# Altium PCB Sensor IR.PcbDoc
Units mm, origin at the board's own origin, x right, y up, seen from the top; angles counter-clockwise.
Board outline 90 x 90 mm, 2 copper layers (Top Layer, Bottom Layer); 92 components, 55 nets, 259 pads, 4 vias.
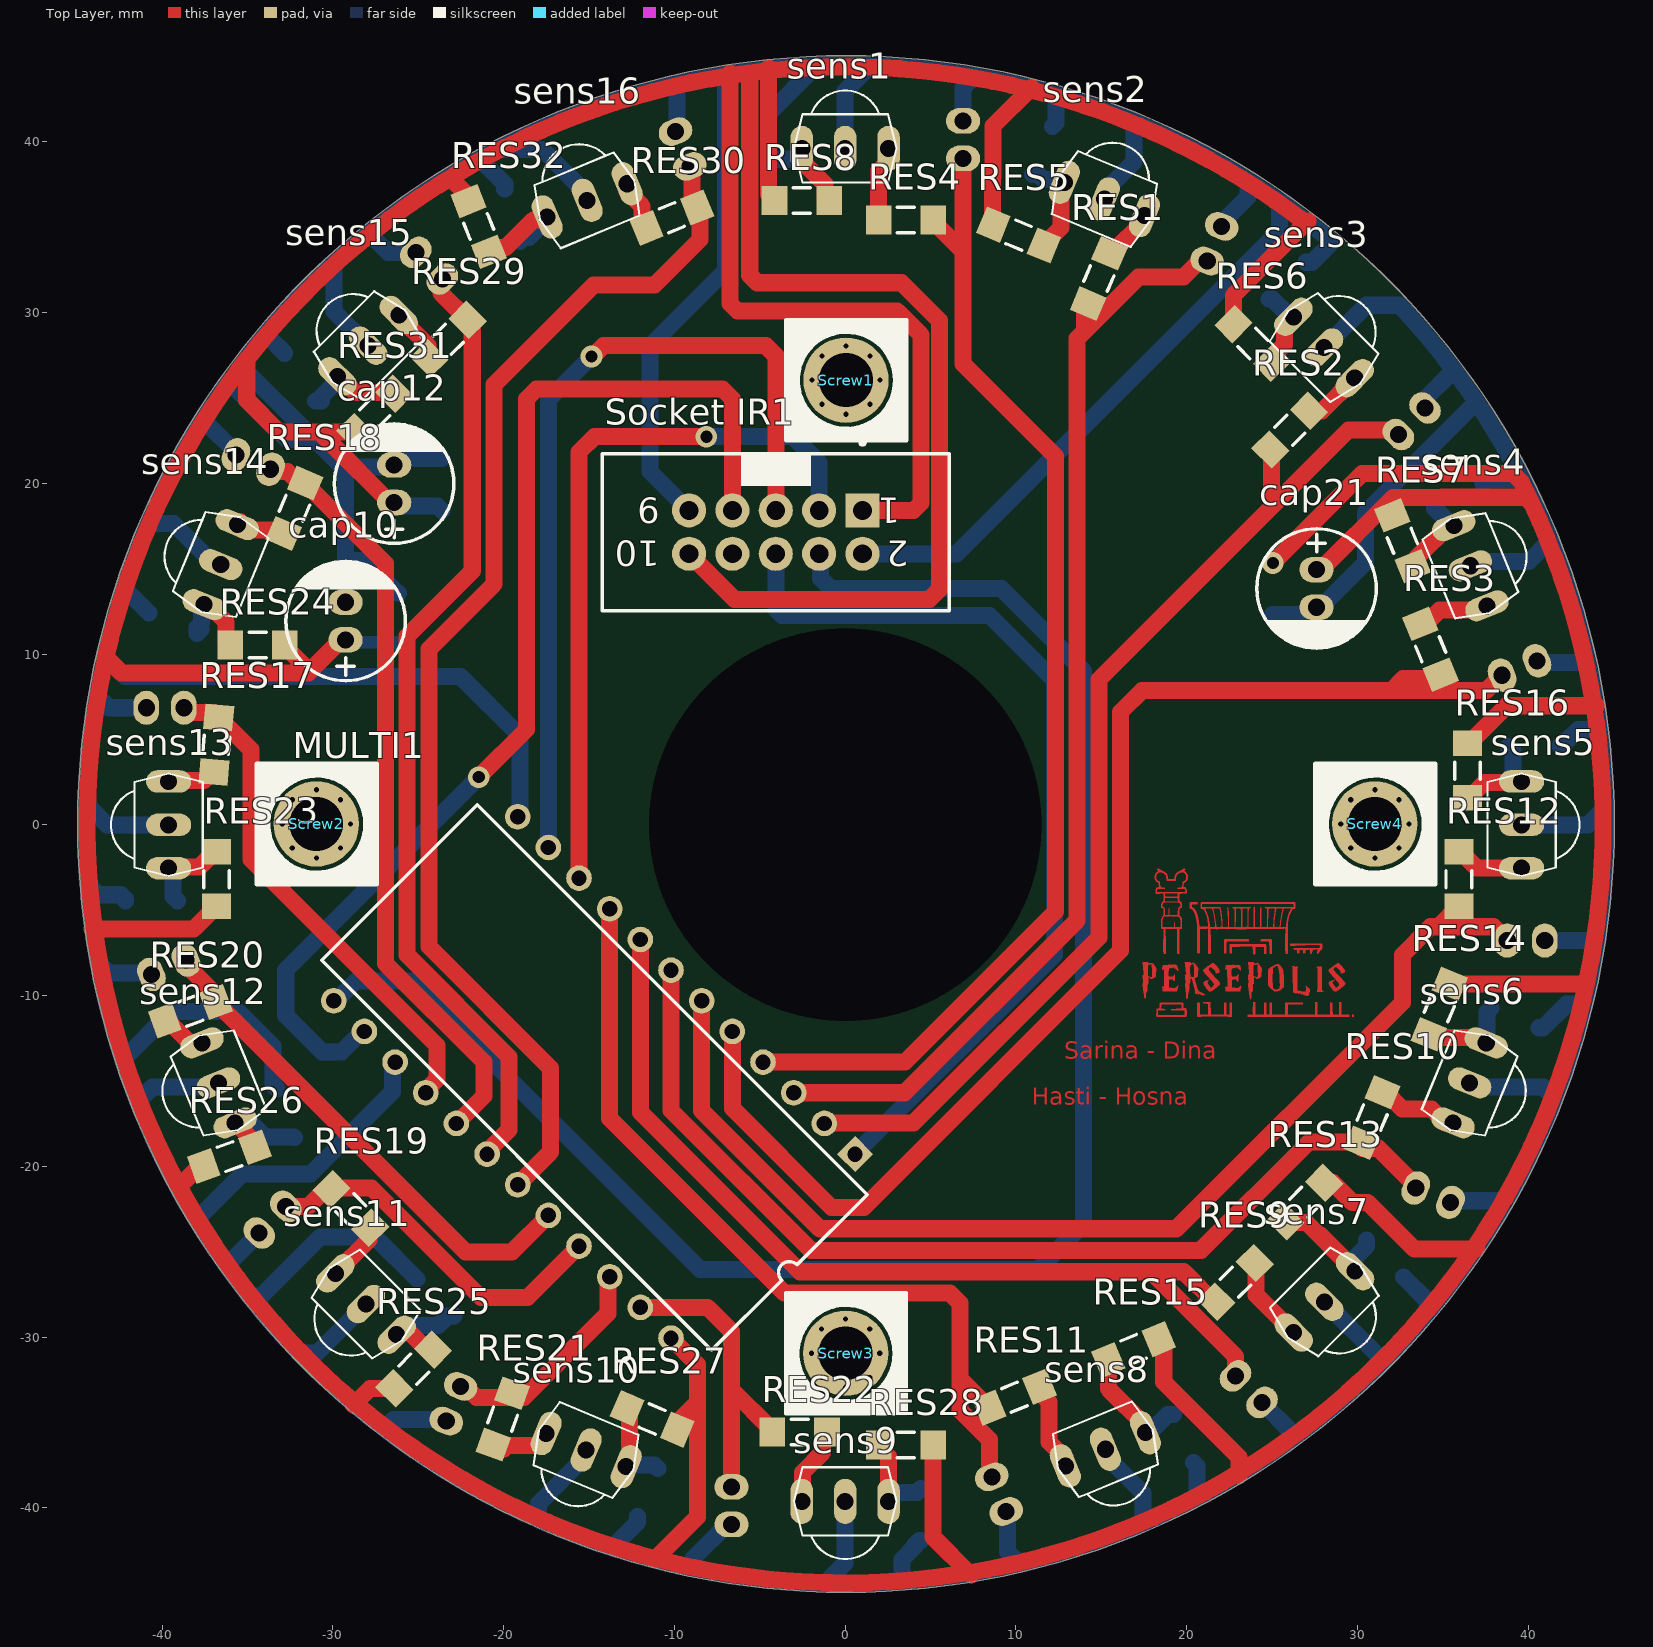
[diagram p0: Top Layer view]
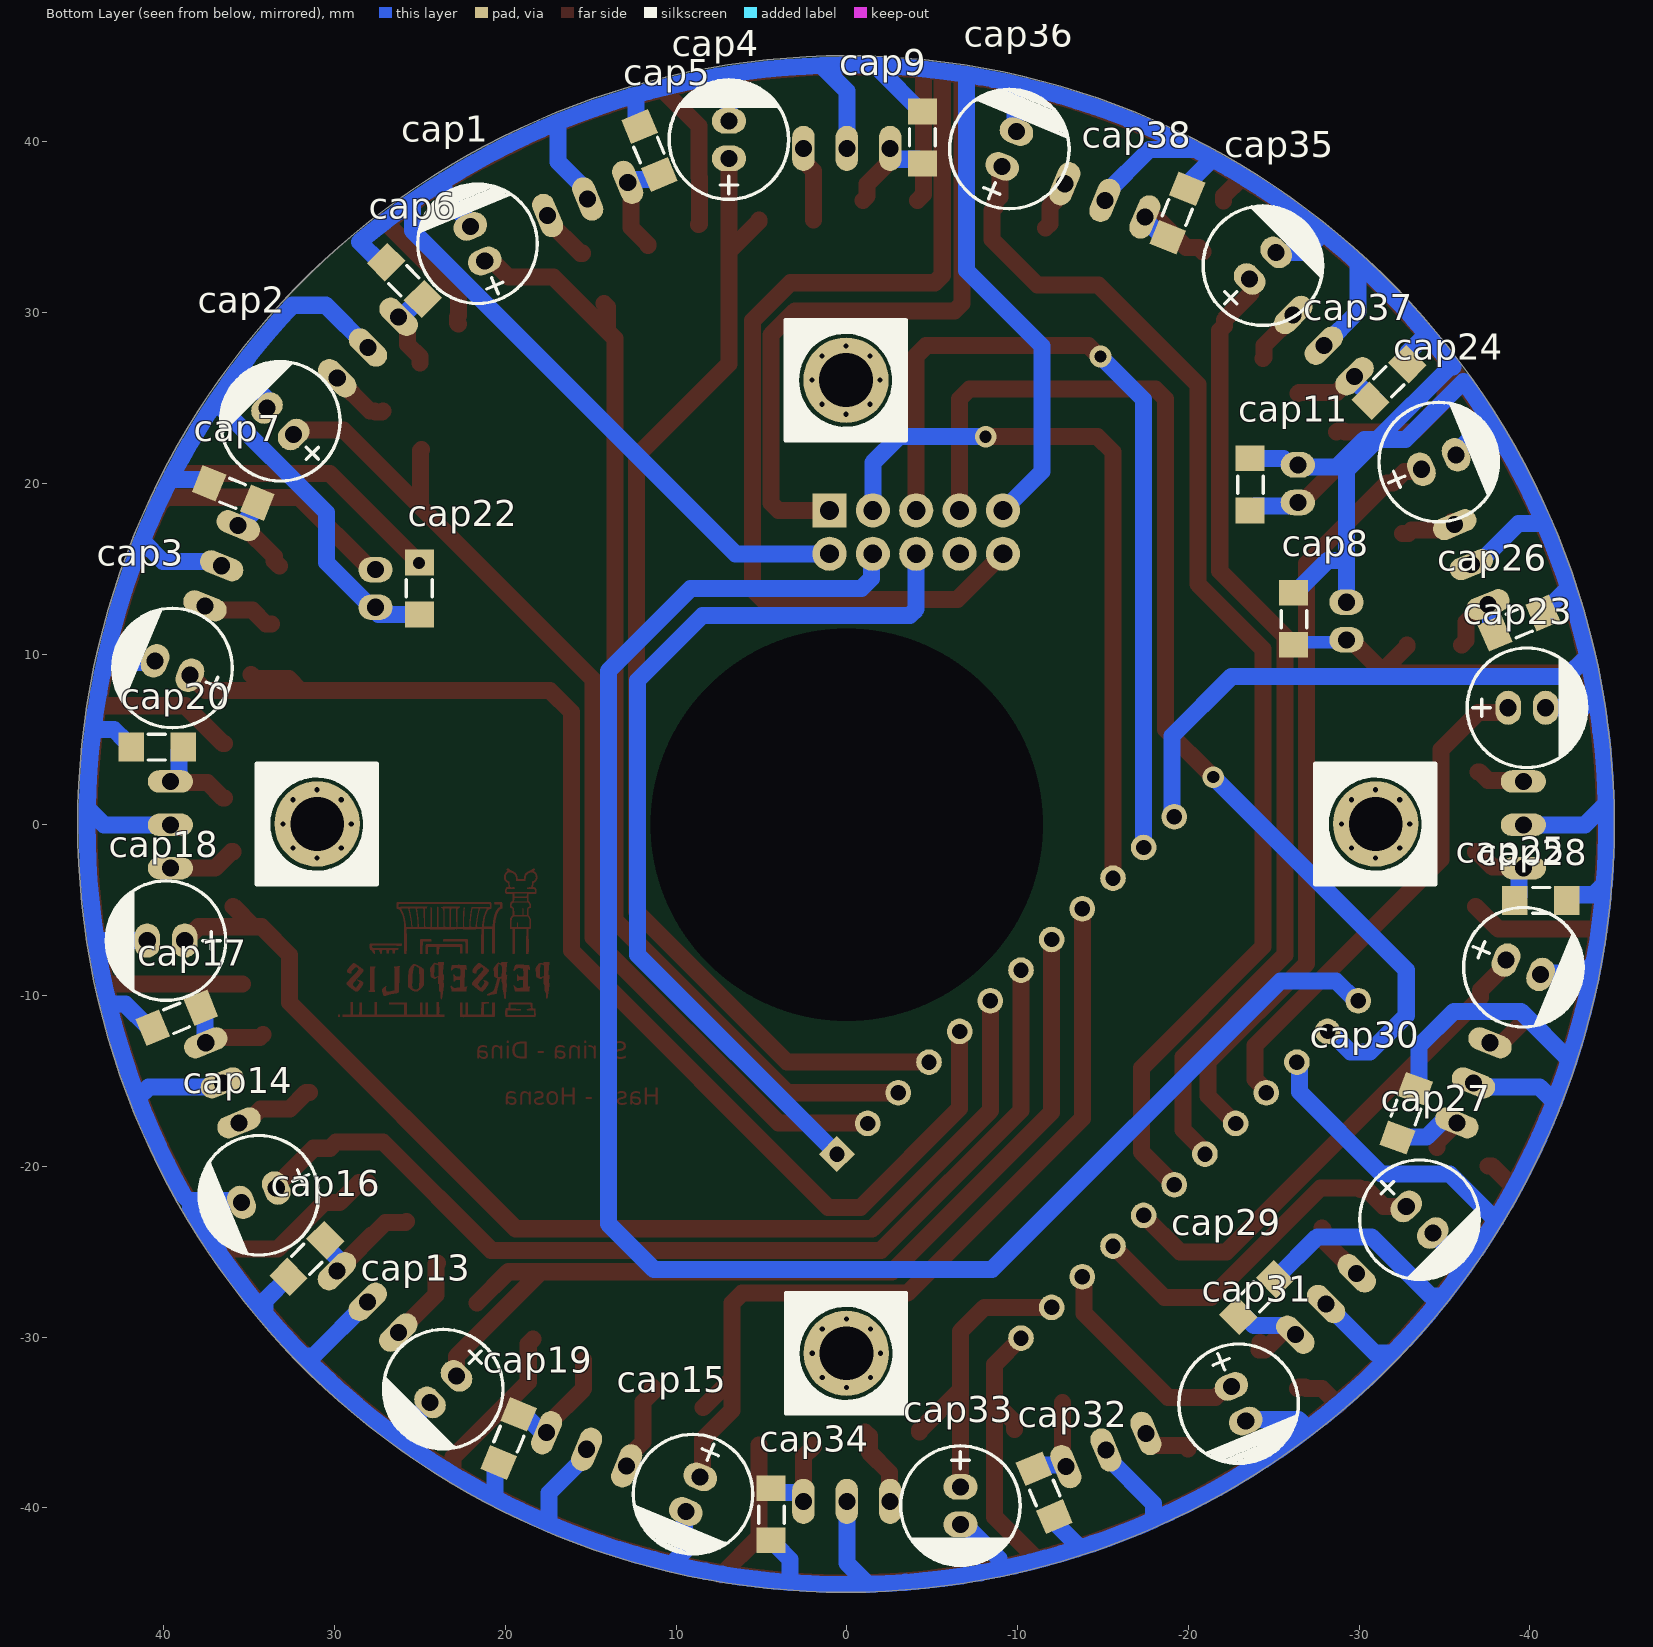
[diagram p1: Bottom Layer view, seen from below]
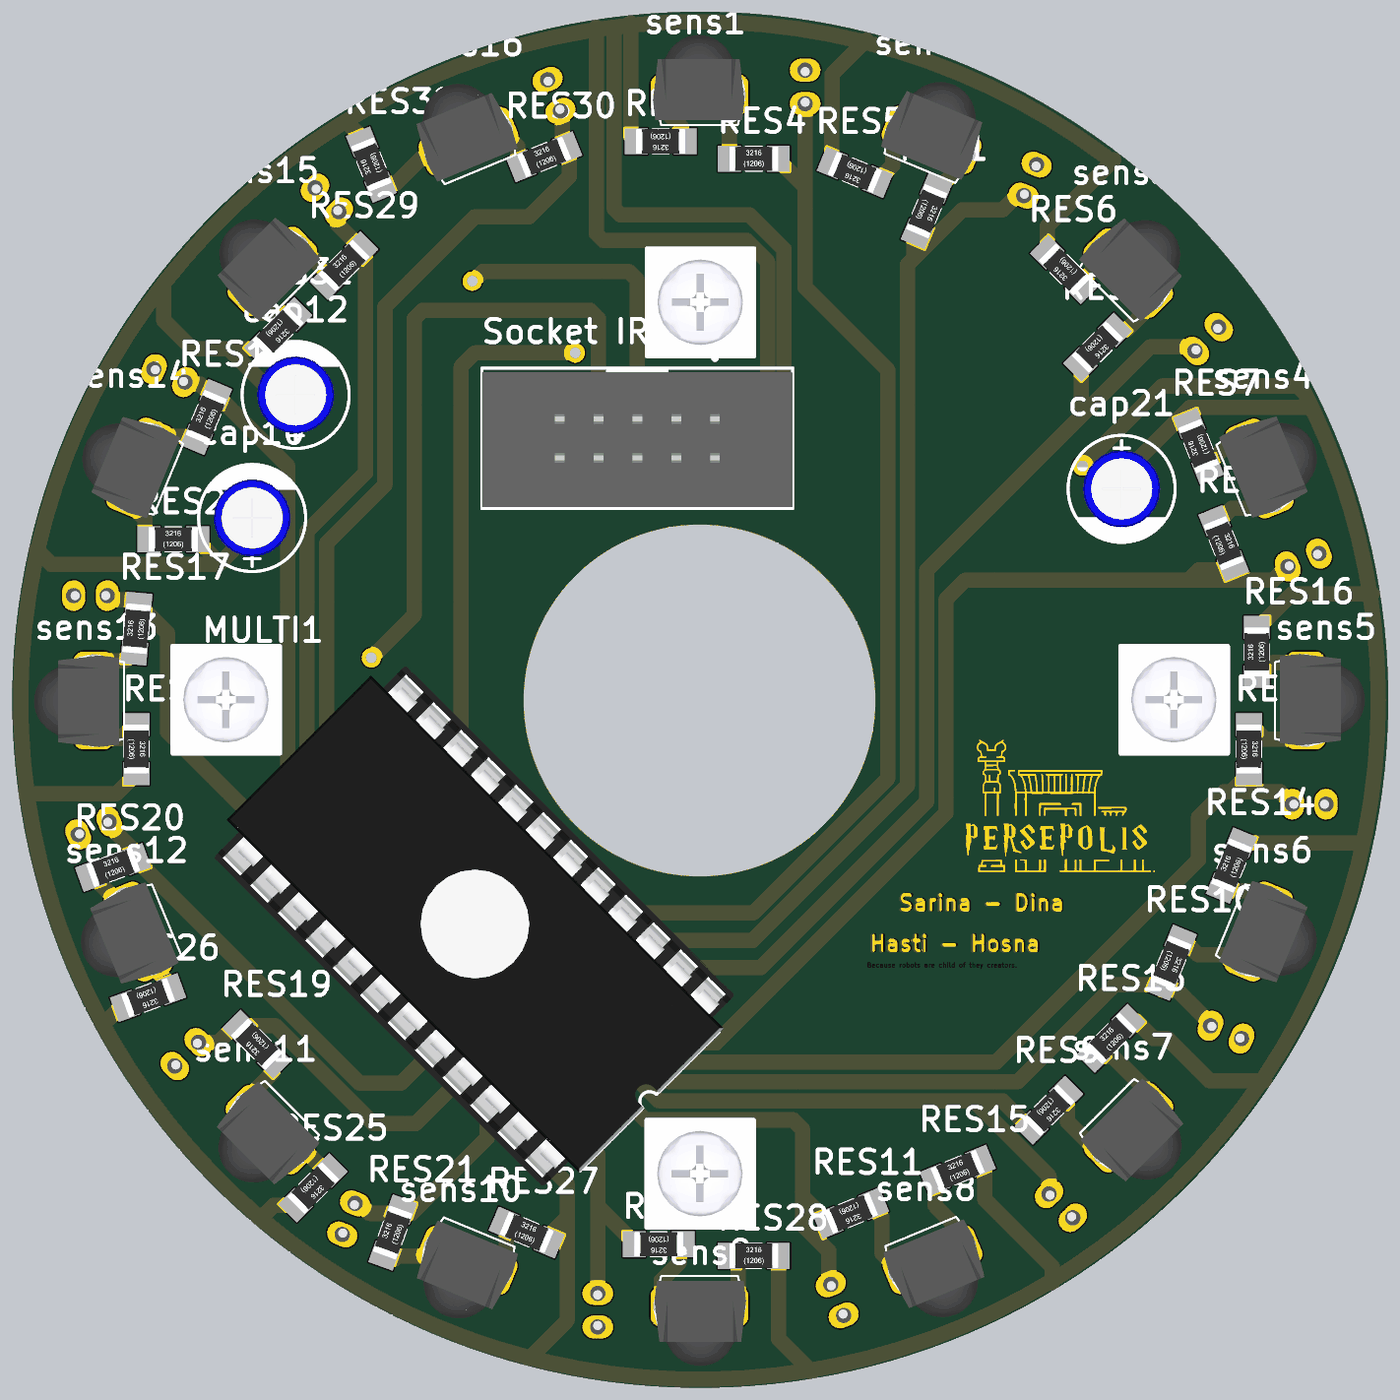
[diagram p2: 3D render of the assembled board from above, using the file's embedded part models]
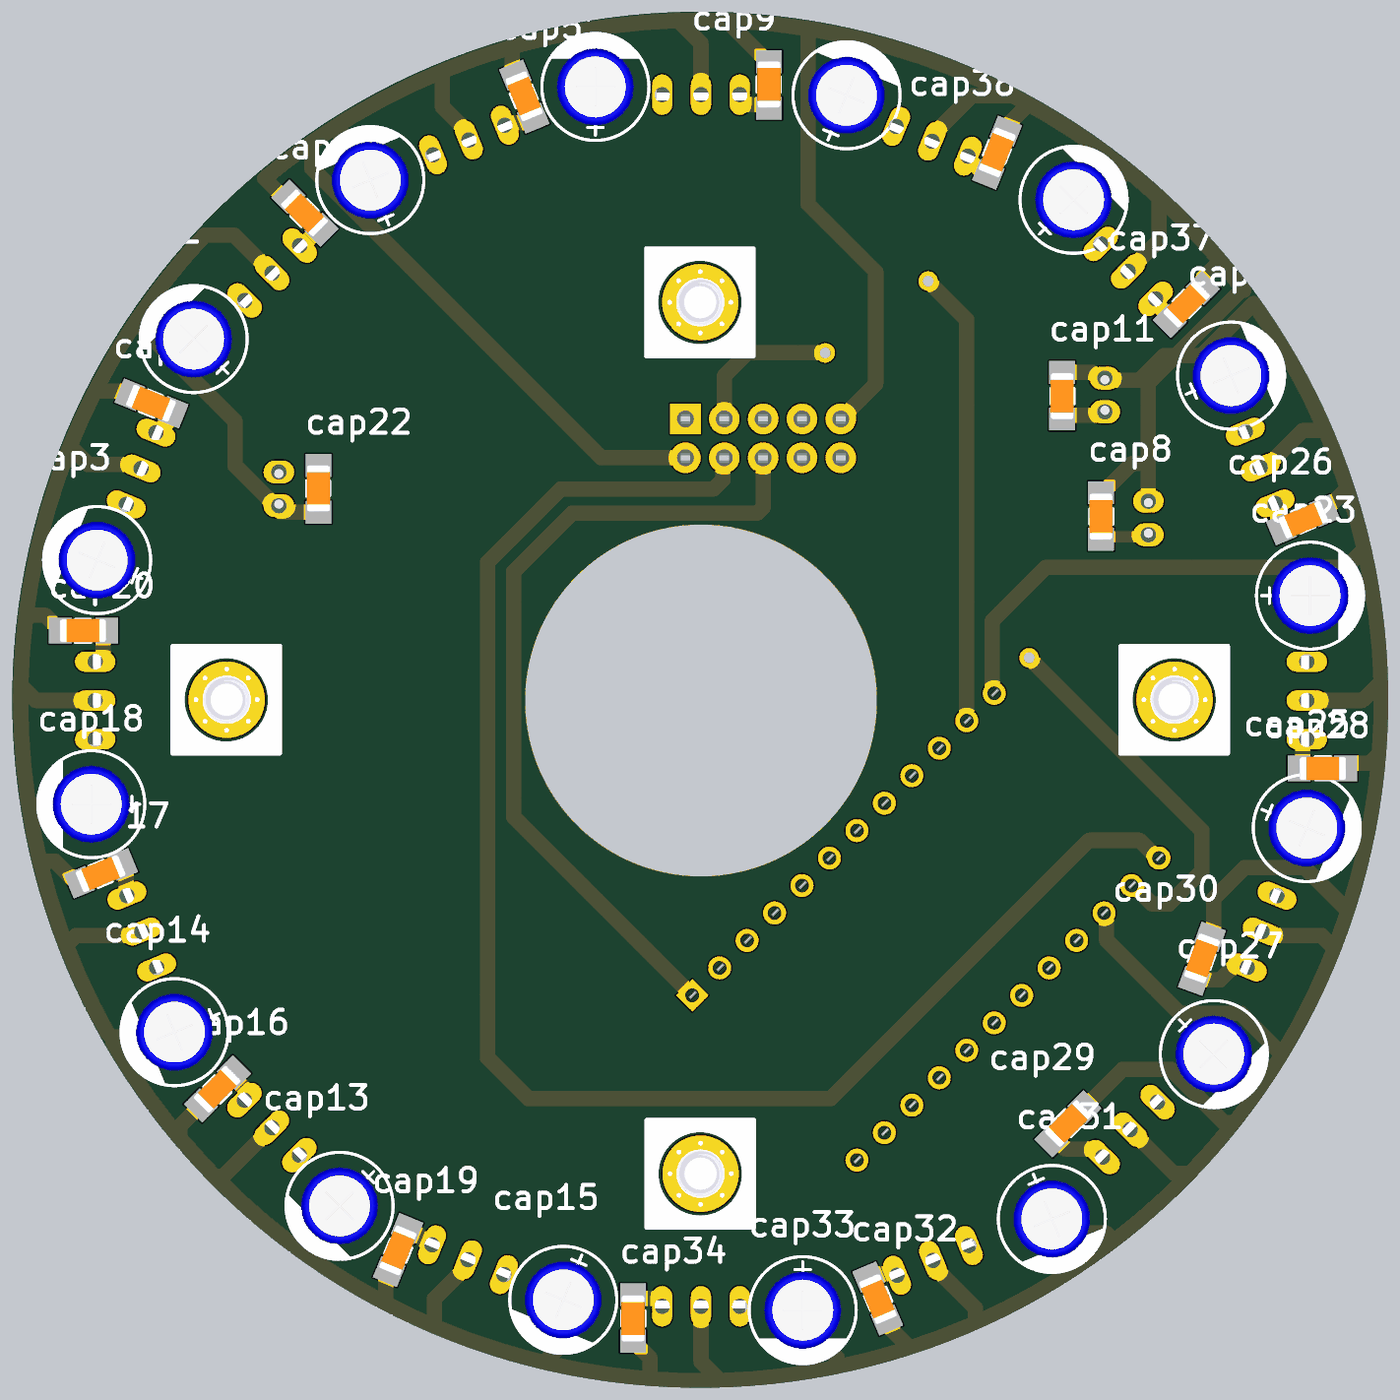
[diagram p3: 3D render of the assembled board from below, using the file's embedded part models]

## Layer stack, top to bottom
Top Solder: solder mask 0.0102, Solder Resist, Dk 3.5
Top Layer: signal copper 0.0356
Dielectric 1: dielectric 0.32, FR-4, Dk 4.8
Bottom Layer: signal copper 0.0356
Bottom Solder: solder mask 0.0102, Solder Resist, Dk 3.5

## Board outline
0.048,-44.952 cw(c0.048,0.048) -44.952,0.048 cw(c0.048,0.048) 0.048,45.048 cw(c0.048,0.048) 45.048,0.048 cw(c0.048,0.048)

## Design rules (kind name [scope] priority, off if disabled: settings)
Clearance [All] p1: gap=0.254 ignorepadtopadclearanceinfootprint=FALSE except(0: Arc-Hole Track-Hole SMDPad-Hole THPad-Hole Via-Hole Fill-Hole Poly-Hole Region-Hole Text-Hole)
HoleSize [All] p1: absolutevalues=TRUE maxlimit=50 minlimit=0.025 maxpercent=80.000 minpercent=20.000
PolygonConnect [All] p1: connectstyle=Relief reliefconductorwidth=0.254 reliefentries=4 polygonreliefangle="90 Angle" airgapwidth=0.254
RoutingVias [All] p1: holewidth=0.711 width=1.27 viastyle="Through Hole" minholewidth=0.711 minwidth=1.27 maxholewidth=0.711 maxwidth=1.27
SolderMaskExpansion [All] p1: expansion=0.102 istentingtop=FALSE
SupplyNets "Schematic Supply Nets_1" [InNet('+5')] p1: voltage=0.000
SupplyNets "Schematic Supply Nets" [InNet('GND')] p2: voltage=0.000
Width [All] p1: maxlimit=2 minlimit=0.5 preferedwidth=1
29 further rules are at their usual default settings.

## Components (designator, comment, footprint, x,y, rotation, side; value= is the part's Value field where it differs from the comment)
cap1 "100uf" "Cap 100uF" 21.652,33.89 r157.5 bottom
cap2 "100uf" "Cap 100uF" 33.147,23.495 r135 bottom
cap3 "100uf" "Cap 100uF" 39.409,9.065 r112.5 bottom
cap4 "100uf" "Cap 100uF" 6.985,40.005 r180 bottom
cap5 "smd" "Cap SMD" 11.557,39.497 r67.5 bottom
cap6 "smd" "Cap SMD" 25.908,31.877 r45 bottom
cap7 "smd" "Cap SMD" 35.941,19.431 r22 bottom
cap8 "smd" "Cap SMD" -26.162,12.065 r270 bottom
cap9 "smd" "Cap SMD" -4.445,40.259 r90 bottom
cap10 "100uf" "Cap 100uF" -29.337,11.811 r0 top
cap11 "smd" "Cap SMD" -23.622,19.939 r270 bottom
cap12 "100uf" "Cap 100uF" -26.492,19.855 r0 top
cap13 "100uf" "Cap 100uF" 23.495,-33.02 r45 bottom
cap14 "100uf" "Cap 100uF" 34.29,-21.717 r67.5 bottom
cap15 "100uf" "Cap 100uF" 8.89,-39.116 r22.5 bottom
cap16 "smd" "Cap SMD" 31.623,-25.4 r315 bottom
cap17 "smd" "Cap SMD" 39.243,-11.303 r337.5 bottom
cap18 "100uf" "Cap 100uF" 39.751,-6.858 r90 bottom
cap19 "smd" "Cap SMD" 19.812,-35.941 r292.5 bottom
cap20 "smd" "Cap SMD" 40.386,4.572 r0 bottom
cap21 "100uf" "Cap 100uF" 27.686,13.97 r180 top
cap22 "smd" "Cap SMD" 25.019,13.843 r90 bottom
cap23 "100uf" "Cap 100uF" -39.708,6.934 r270 bottom
cap24 "100uf" "Cap 100uF" -34.525,21.271 r247.5 bottom
cap25 "smd" "Cap SMD" -40.64,-4.445 r180 bottom
cap26 "smd" "Cap SMD" -39.37,11.811 r157 bottom
cap27 "100uf" "Cap 100uF" -33.508,-22.986 r315 bottom
cap28 "100uf" "Cap 100uF" -39.536,-8.223 r292.5 bottom
cap29 "smd" "Cap SMD" -24.003,-27.686 r135 bottom
cap30 "smd" "Cap SMD" -32.766,-16.891 r110 bottom
cap31 "100uf" "Cap 100uF" -22.969,-33.762 r337.5 bottom
cap32 "smd" "Cap SMD" -11.557,-39.116 r247 bottom
cap33 "100uf" "Cap 100uF" -6.731,-39.751 r0 bottom
cap34 "smd" "Cap SMD" 4.445,-40.386 r270 bottom
cap35 "100uf" "Cap 100uF" -24.225,32.714 r225 bottom
cap36 "100uf" "Cap 100uF" -9.398,39.497 r202.5 bottom
cap37 "smd" "Cap SMD" -31.75,25.908 r135 bottom
cap38 "smd" "Cap SMD" -19.367,35.831 r112 bottom
MULTI1 "4067 DIP" "4067 DIP" -14.732,-15.113 r225 top
RES1 "SMD" "Resistor SMD 1206" 14.859,32.004 r247 top
RES2 "SMD" "Resistor SMD 1206" 26.035,23.114 r225 top
RES3 "SMD" "Resistor SMD 1206" 34.29,10.287 r292 top
RES4 "SMD" "Resistor SMD 1206" 3.556,35.433 r0 top
RES5 "SMD" "Resistor SMD 1206" 10.16,34.544 r157.5 top
RES6 "SMD" "Resistor SMD 1206" 23.876,28.194 r135 top
RES7 "SMD" "Resistor SMD 1206" 32.639,16.637 r112 top
RES8 "SMD" "Resistor SMD 1206" -2.54,36.576 r180 top
RES9 "SMD" "Resistor SMD 1206" 22.86,-26.797 r225 top
RES10 "SMD" "Resistor SMD 1206" 30.861,-17.145 r247.5 top
RES11 "SMD" "Resistor SMD 1206" 9.906,-33.528 r202.5 top
RES12 "SMD" "Resistor SMD 1206" 35.941,-3.175 r270 top
RES13 "SMD" "Resistor SMD 1206" 26.924,-22.098 r45 top
RES14 "SMD" "Resistor SMD 1206" 34.798,-10.795 r67.5 top
RES15 "SMD" "Resistor SMD 1206" 16.891,-30.734 r22.5 top
RES16 "SMD" "Resistor SMD 1206" 36.449,3.175 r90 top
RES17 "SMD" "Resistor SMD 1206" -36.83,4.699 r85 top
RES18 "SMD" "Resistor SMD 1206" -32.258,18.542 r67 top
RES19 "SMD" "Resistor SMD 1206" -28.956,-22.479 r135 top
RES20 "SMD" "Resistor SMD 1206" -38.354,-10.922 r20 top
RES21 "SMD" "Resistor SMD 1206" -20.066,-34.798 r70 top
RES22 "SMD" "Resistor SMD 1206" -2.667,-35.56 r180 top
RES23 "SMD" "Resistor SMD 1206" -36.83,-3.175 r270 top
RES24 "SMD" "Resistor SMD 1206" -34.417,10.541 r0 top
RES25 "SMD" "Resistor SMD 1206" -25.273,-31.877 r225 top
RES26 "SMD" "Resistor SMD 1206" -36.068,-19.431 r200 top
RES27 "SMD" "Resistor SMD 1206" -11.303,-34.798 r337 top
RES28 "SMD" "Resistor SMD 1206" 3.556,-36.322 r0 top
RES29 "SMD" "Resistor SMD 1206" -23.241,28.448 r45 top
RES30 "SMD" "Resistor SMD 1206" -10.16,35.56 r22 top
RES31 "SMD" "Resistor SMD 1206" -27.559,24.13 r225 top
RES32 "SMD" "Resistor SMD 1206" -21.463,35.052 r112 top
Screw1 "Screw" Screw 0.048,26.048 r0 top locked
Screw2 "Screw" Screw -30.975,0.051 r0 top locked
Screw3 "Screw" Screw 0.025,-30.949 r0 top locked
Screw4 "Screw" Screw 31.025,0.051 r0 top locked
sens1 "TSSP58038" TSOP1838 0,39.624 r180 top
sens2 "TSSP58038" TSOP1838 15.179,36.659 r157.5 top
sens3 "TSSP58038" TSOP1838 28.049,27.958 r135 top
sens4 "TSSP58038" TSOP1838 36.62,15.174 r112.5 top
sens5 "TSSP58038" TSOP1838 39.624,0 r90 top
sens6 "TSSP58038" TSOP1838 36.576,-15.113 r67.5 top
sens7 "TSSP58038" TSOP1838 28.067,-27.94 r45 top
sens8 "TSSP58038" TSOP1838 15.24,-36.576 r22.5 top
sens9 "TSSP58038" TSOP1838 0,-39.624 r0 top
sens10 "TSSP58038" TSOP1838 -15.174,-36.62 r337.5 top
sens11 "TSSP58038" TSOP1838 -28.067,-28.067 r315 top
sens12 "TSSP58038" TSOP1838 -36.703,-15.113 r292.5 top
sens13 "TSSP58038" TSOP1838 -39.624,0 r270 top
sens14 "TSSP58038" TSOP1838 -36.576,15.24 r247.5 top
sens15 "TSSP58038" TSOP1838 -27.94,28.067 r225 top
sens16 "TSSP58038" TSOP1838 -15.113,36.576 r202.5 top
"Socket IR1" "IDC2x5" "IDC 2x5" -4.115,17.018 r270 top

## Footprints (in the part's own frame and the unit in brackets; to place one, negate y for a bottom-side part, rotate by r counter-clockwise, add the part's x,y. Pads: shape width x height; smd on the part's side, far side on the other; paste and mask are expansions set on the pad)
"4067 DIP" [mm]
  rect 1.5x1.5 hole 0.9: 1(-7.874,13.776)
  round 1.5 hole 0.9: 2(-7.874,11.236) 3(-7.874,8.696) 4(-7.874,6.156) 5(-7.874,3.616) 6(-7.874,1.076) 7(-7.874,-1.464) 8(-7.874,-4.004) 9(-7.874,-6.544) 10(-7.874,-9.084) 11(-7.874,-11.624) 12(-7.874,-14.164) 13(7.366,-14.164) 14(7.366,-11.624) 15(7.366,-9.084) 16(7.366,-6.544) 17(7.366,-4.004) 18(7.366,-1.464) 19(7.366,1.076) 20(7.366,3.616) 21(7.366,6.156) 22(7.366,8.696) 23(7.366,11.236) 24(7.366,13.776)
  silkscreen extent -6.7,-16.34 6.2,15.96, body extent -9.14,-16.64 8.64,16, height 9.79
"Cap 100uF" [mm]
  oval 2x1.5 hole 1: 1(0.076,-0.973) 2(0.076,1.227)
  silkscreen extent -3.42,-3.37 3.58,3.63, body extent -2.45,-2.4 2.6,2.65, height 11.53
"Cap SMD" [mm]
  rect 1.5x1.7 smd: 1(-1.525,0) 2(1.525,0)
  silkscreen extent -0.47,-0.72 0.53,0.78, body extent -1.49,-0.76 1.55,0.76, height 0.75
"IDC 2x5" [mm] "DS1013-10"
  rect 2x2 hole 1.1: 1(-1.397,5.131)
  round 2 hole 1.1: 2(1.143,5.131) 3(-1.397,2.591) 4(1.143,2.591) 5(-1.397,0.051) 6(1.143,0.051) 7(-1.397,-2.489) 8(1.143,-2.489) 9(-1.397,-5.029) 10(1.143,-5.029)
  silkscreen extent -5.5,-10.11 4.47,10.21, body extent -4.45,-10.11 4.36,10.21, height 9
"Resistor SMD 1206" [mm]
  rect 1.5x1.7 smd: 1(-1.6,0) 2(1.6,0)
  silkscreen extent -0.5,-0.75 0.5,0.75, body extent -1.6,-0.8 1.6,0.8, height 0.55
Screw [mm]
  round 0.6 hole 0.3: S(-2,0) S(-1.414,-1.414) S(-1.414,1.414) S(0,-2) S(0,2) S(1.414,-1.414) S(1.414,1.414) S(2,0)
  round 5 hole 3.15 mask+0.1: S(0,0)
  silkscreen extent -3.49,-3.53 3.56,3.52, body extent -2.8,-2.8 2.8,2.8, height 3.88
TSOP1838 [mil]
  oval 52x104 hole 39.37: GND(0,0) OUT(-100,0) VCC(100,0)
  silkscreen extent -118,-133 118,79, body extent -116,-155 120,65, height 600

## Part data
cap1 cap2 cap3 cap4 cap10 cap12 cap13 cap14 cap15 cap18 cap21 cap23 cap24 cap27 cap28 cap31 cap33 cap35 cap36: library part "Cap 100uF"
cap5 cap6 cap7 cap8 cap9 cap11 cap16 cap17 cap19 cap20 cap22 cap25 cap26 cap29 cap30 cap32 cap34 cap37 cap38: library part "Cap SMD"
RES1 RES2 RES3 RES4 RES5 RES6 RES7 RES8 RES9 RES10 RES11 RES12 RES13 RES14 RES15 RES16 RES17 RES18 RES19 RES20 RES21 RES22 RES23 RES24 RES25 RES26 RES27 RES28 RES29 RES30 RES31 RES32: library part "Res SMD"
"Socket IR1": library part "IDC 2x5"
Screw1 Screw2 Screw3 Screw4: LatestRevisionDate=17-Jul-2002, LatestRevisionNote="Re-released for DXP Platform.", Publisher="Altium Limited"

## Free pads (board coordinates)
  round 10.1 hole 23: 2(0,0)

## Via types
v1: diameter 1.27, hole 0.711, Top Layer to Bottom Layer, 4 vias

## Nets (pads, with @x,y where several pads share a name; then routed paths per layer and width w, separated by ;. In a path a pad name is that pad's centre, name@x,y a point inside that pad or via, vN(x,y) a via of type N, cw(c..) or ccw(c..) an arc to the next point about the centre after c; other vN are vias at no path point)
+5: "Socket IR1.1" "Socket IR1.10" cap8.2 cap10.1 cap11.2 cap12.1 cap21.1 cap22.2 MULTI1.24 RES5.2 RES6.2 RES7.2 RES8.2 RES13.2 RES14.2 RES15.2 RES16.2 RES23.2 RES24.2 RES25.2 RES26.2 RES27.2 RES28.2 RES31.2 RES32.2 | length 524.6
  Top Layer w1: -44.127,-6.104 -38.159,-6.104 RES23.2 ; -43.37,9.873 -42.399,8.903 -31.446,8.903 ; -38.654,-20.831 -37.8,-19.978 RES26.2 ; -35.052,27.178 -35.052,24.892 -33.159,22.999 -29.185,22.999 -29.115,23.069 -28.761,23.069 RES31.2 ; RES24.2 -32.817,10.441 -31.446,9.07 -31.446,8.903 ; -30.545,22.761 -30.164,22.38 -26.666,18.882 cap12.1 ; cap10.1 -29.511,10.838 -31.446,8.903 ; -28.803,-33.983 -27.829,-33.008 -26.899,-33.008 -26.829,-32.938 -26.475,-32.938 RES25.2 ; -23.099,37.861 -22.062,36.824 RES32.2 ; -11.167,-43.044 -8.66,-40.537 -8.66,-33.833 ; MULTI1.24 -8.66,-31.602 -8.66,-33.833 ; RES27.2 -9.83,-35.004 -8.66,-33.833 ; -9.144,15.875 -6.477,13.208 4.937,13.208 5.523,13.794 5.523,29.529 3.302,31.75 -5.149,31.75 -5.588,32.189 -5.588,43.895 ; -6.745,44.034 -6.745,30.538 -6.306,30.099 3.048,30.099 4.445,28.702 4.445,18.854 4.006,18.415 1.016,18.415 ; -4.495,44.323 -4.495,36.931 RES8.2 ; RES28.2 5.156,-41.726 7.365,-43.934 ; RES5.2 8.636,35.202 8.636,37.908 8.663,37.934 8.663,40.926 10.924,43.187 ; RES15.2 18.658,-30.411 18.658,-32.628 23.069,-37.039 23.069,-38.109 ; RES6.2 22.815,29.396 22.815,29.75 22.745,29.82 22.745,31.013 27.093,35.361 ; v1(25.049,15.338) 30.285,20.574 39.122,20.574 39.584,20.112 cw(c0,0) 40.212,18.825 ; 26.988,35.256 ccw(c0,0) 10.802,43.066 ccw(c0,0) -4.495,44.172 ccw(c0,0) -6.745,43.885 ccw(c0,0) -43.303,9.807 ccw(c0,0) -43.978,-6.104 ccw(c0,0) -39.21,-20.831 ccw(c0,0) -28.699,-33.878 ccw(c0,0) -11.11,-42.987 ccw(c0,0) 7.237,-43.806 ccw(c0,0) 23.069,-37.936 ccw(c0,0) 36.79,-24.857 ccw(c0,0) 44.4,0 ccw(c0,0) 43.849,6.974 ccw(c0,0) 40.212,18.825 ; cap21.1 27.86,14.943 32.094,19.177 34.947,19.177 34.957,19.187 39.849,19.187 40.212,18.825 ; RES13.2 28.562,-20.967 29.705,-22.11 30.595,-22.11 33.343,-24.857 36.967,-24.857 ; RES14.2 43.121,-9.317 ; RES16.2 36.549,4.775 38.748,6.974 43.998,6.974
  Bottom Layer w0.75: cap10.1 -29.117,10.694 -26.316,10.694 cap8.2
  Bottom Layer w1: cap12.1 -26.031,18.882 -25.813,18.664 -23.872,18.664 cap11.2
A1IR: "Socket IR1.6" MULTI1.1 | length 53.9
  Bottom Layer w1: -4.064,15.875 -4.064,12.632 -3.686,12.254 8.447,12.254 12.254,8.447 12.254,-7.609 MULTI1.1
A2S1: "Socket IR1.5" MULTI1.11 | length 50.2
  Top Layer w1: v1(-14.859,27.432) -14.786,27.432 -14.151,28.067 -4.65,28.067 -4.064,27.481 -4.064,18.415
  Bottom Layer w1: MULTI1.11 -17.384,24.907 v1(-14.859,27.432)
B10S0: "Socket IR1.3" MULTI1.10 | length 42.8
  Top Layer w1: MULTI1.10 -15.588,21.833 -14.687,22.733 v1(-8.128,22.733)
  Bottom Layer w1: v1(-8.128,22.733) -3.048,22.733 -1.524,21.209 -1.524,18.415
B12S2: "Socket IR1.7" MULTI1.14 | length 67
  Top Layer w1: v1@-21.411,2.846 -18.669,5.588 -18.669,24.941 -18.083,25.527 -7.19,25.527 -6.604,24.941 -6.604,18.415
  Bottom Layer w1: MULTI1.14 -28.295,-12.102 -29.505,-13.312 -30.63,-13.312 -32.766,-11.176 -32.766,-8.509 v1(-21.463,2.794)
B13S3: "Socket IR1.4" MULTI1.13 | length 104
  Bottom Layer w1: MULTI1.13 -29.821,-10.306 -28.659,-9.144 -25.4,-9.144 -8.509,-26.035 11.303,-26.035 13.97,-23.368 13.97,9.017 9.144,13.843 -0.849,13.843 -1.435,14.429 -1.435,15.786 -1.524,15.875
GND: "Socket IR1.2" "Socket IR1.9" cap1.2 cap2.2 cap3.2 cap4.2 cap5.2 cap6.2 cap7.2 cap8.1 cap9.2 cap10.2 cap11.1 cap12.2 cap13.2 cap14.2 cap15.2 cap16.2 cap17.2 cap18.2 cap19.2 cap20.2 cap21.2 cap22.1 cap23.2 cap24.2 cap25.2 cap26.2 cap27.2 cap28.2 cap29.2 cap30.2 cap31.2 cap32.2 cap33.2 cap34.2 cap35.2 cap36.2 cap37.2 cap38.2 MULTI1.12 MULTI1.15 sens1.GND sens2.GND sens3.GND sens4.GND sens5.GND sens6.GND sens7.GND sens8.GND sens9.GND sens10.GND sens11.GND sens12.GND sens13.GND sens14.GND sens15.GND sens16.GND | length 632.3
  Bottom Layer w1: cap25.2 -42.165,-4.345 -42.415,-4.095 -43.75,-4.095 -44.364,-3.481 ; cap23.2 -43.111,6.858 -43.847,7.595 ; cap26.2 -42.272,13.905 ; cap28.2 -40.736,-8.667 -43.169,-8.667 -43.761,-8.075 ; sens13.GND -43.243,0 -44.483,1.24 ; -37.494,23.612 -35.688,21.805 cap24.2 ; sens12.GND -36.956,-15.366 -40.581,-15.366 -41.438,-16.223 ; sens14.GND -36.933,15.24 -39.347,17.653 -40.849,17.653 ; -36.35,25.67 ccw(c0,0) -37.719,23.612 ccw(c0,0) -39.672,20.159 ccw(c0,0) -40.849,17.653 ; -36.122,25.962 -32.723,22.563 -31.072,22.563 ; -36.058,-25.644 cap27.2 ; -33.782,28.575 cap37.2@-32.828,27.621 ; cap30.2 -33.52,-15.226 -33.52,-12.962 -35.56,-10.922 -39.472,-10.922 -42.317,-13.767 ; cap10.2 -29.261,15.494 ; sens11.GND -30.936,-30.936 -31.988,-30.936 ; sens15.GND -29.946,30.073 -29.946,32.917 ; MULTI1.15 -26.507,-14.042 -26.507,-15.634 -31.321,-20.447 -35.316,-20.447 -38.01,-23.141 ; cap8.1 -26.262,13.59 -28.166,15.494 -29.261,15.494 ; cap35.2 -25.227,33.447 -25.554,33.447 -25.635,33.528 -26.777,33.528 -27.909,34.66 ; cap29.2 -27.559,-24.13 -30.734,-24.13 -34.207,-27.603 -34.905,-27.603 ; cap11.1 -25.581,21.464 -25.963,21.082 cap12.2 -26.543,20.955 -28.702,20.955 -30.31,22.563 -31.072,22.563 ; cap31.2 -23.464,-34.829 -26.466,-34.829 -27.005,-35.369 ; cap38.2 -19.939,37.534 -21.414,39.009 ; MULTI1.12 -19.05,0.6 -19.05,5.207 -22.54,8.697 -42.193,8.697 -43.387,9.891 ; MULTI1.12@-19.05,0.362 MULTI1.12@-19.05,0.47 ; sens10.GND -15.174,-36.977 -17.96,-39.764 -17.96,-40.715 ; sens16.GND -15.113,36.933 -17.735,39.556 -20.386,39.556 ; cap32.2 -12.153,-40.838 -13.473,-42.158 -13.473,-42.412 ; cap36.2 -9.842,40.697 -9.842,43.019 ; -9.144,18.415 -11.43,20.701 -11.43,28.043 -7.011,32.462 -7.011,43.944 ; cap33.2 -6.905,-40.978 -8.905,-42.978 -8.905,-43.6 ; cap9.2 -4.345,41.784 -1.907,44.222 -1.907,44.459 ; sens9.GND 0,-43.238 -1.244,-44.483 ; sens1.GND 0,42.981 1.494,44.475 ; 1.016,15.875 6.518,15.875 25.451,34.808 25.451,36.503 ; cap34.2 4.345,-41.911 4.095,-42.161 4.095,-42.261 3.327,-43.029 3.327,-44.375 ; cap4.2 6.909,43.161 7.595,43.847 ; cap15.2 9.515,-40.305 9.515,-42.566 10.252,-43.303 ; cap5.2 12.355,41.121 12.355,42.42 12.611,42.676 ; sens2.GND 15.179,37.103 16.914,38.838 16.914,41.16 ; sens8.GND 15.24,-36.933 17.438,-39.132 17.438,-40.941 ; cap19.2 20.61,-37.565 20.61,-39.202 20.766,-39.358 ; cap1.2 22.051,35.244 23.589,36.782 23.589,37.733 ; cap13.2 26.161,-35.579 26.161,-35.998 ; cap22.1 27.435,12.318 30.48,15.363 30.48,18.288 36.819,24.627 ; cap6.2 26.992,32.949 27.346,32.949 28.54,34.143 ccw(c0,0) 25.451,36.503 ; sens3.GND 30.522,30.431 32.468,30.431 cw(c0,0) 35.651,26.632 ; sens7.GND 31.242,-31.115 31.814,-31.115 ; cap16.2 34.068,-27.845 34.068,-28.629 ; cap2.2 33.88,24.498 33.88,24.824 33.961,24.905 33.961,24.941 35.651,26.632 ; cap14.2 35.548,-22.02 38.534,-22.02 38.846,-21.708 ccw(c0,0) 41.523,-16.002 ; sens6.GND 36.829,-15.366 40.887,-15.366 41.523,-16.002 ; sens4.GND 36.873,15.426 40.06,15.426 41.272,16.639 ; cap7.2 37.58,20.227 39.283,20.227 ; 38.455,-22.394 cw(c0,0) 34.068,-28.629 ; sens5.GND 43.503,0 44.489,0.986 ; cap3.2 40.609,9.509 42.971,9.509 43.381,9.918 ; cap17.2 40.879,-11.887 42.262,-10.504 43.243,-10.504 ; cap18.2 43.79,-6.782 44.014,-6.558 ; cap20.2 41.911,4.672 42.161,4.922 42.261,4.922 42.925,5.586 44.148,5.586 ccw(c0,0) 43.381,9.918 ; 44.166,5.443 cw(c0,0) 44.489,0.986 ; -44.483,1.24 cw(c0,0) -43.847,7.595 ; -44.483,1.24 ccw(c0,0) -44.364,-3.481 ; -44.364,-3.481 ccw(c0,0) -43.761,-8.075 ; -43.847,7.595 cw(c0,0) -43.387,9.891 ; -43.761,-8.075 ccw(c0,0) -42.317,-13.767 ; -43.387,9.891 cw(c0,0) -42.272,13.905 ; -42.317,-13.767 ccw(c0,0) -41.438,-16.223 ; -42.272,13.905 cw(c0,0) -40.849,17.653 ; -41.438,-16.223 ccw(c0,0) -38.01,-23.141 ; -38.01,-23.141 ccw(c0,0) -34.905,-27.603 ; -34.905,-27.603 ccw(c0,0) -31.988,-30.936 ; -31.988,-30.936 ccw(c0,0) -27.005,-35.369 ; -31.072,22.563 -35.331,26.822 -35.508,26.822 cw(c0,0) -33.849,28.888 cw(c0,0) -29.946,32.917 ; -31.072,22.563 -29.261,20.752 -29.261,15.494 ; -29.946,32.917 cw(c0,0) -27.909,34.66 ; -27.909,34.66 cw(c0,0) -21.414,39.009 ; -27.005,-35.369 ccw(c0,0) -17.96,-40.715 ; -21.414,39.009 cw(c0,0) -20.386,39.556 ; -20.386,39.556 cw(c0,0) -9.356,43.505 cw(c0,0) -7.011,43.944 ; -17.96,-40.715 ccw(c0,0) -13.473,-42.412 ; -13.473,-42.412 ccw(c0,0) -8.905,-43.6 ; -8.905,-43.6 ccw(c0,0) -1.244,-44.483 ; -7.011,43.944 cw(c0,0) -1.907,44.459 ; -1.907,44.459 cw(c0,0) 1.494,44.475 ; -1.244,-44.483 ccw(c0,0) 3.327,-44.375 ; 1.494,44.475 cw(c0,0) 7.595,43.847 ; 3.327,-44.375 ccw(c0,0) 10.252,-43.303 ; 7.595,43.847 cw(c0,0) 12.611,42.676 ; 10.252,-43.303 ccw(c0,0) 17.438,-40.941 ; 12.611,42.676 cw(c0,0) 16.914,41.16 ; 16.914,41.16 cw(c0,0) 23.589,37.733 ; 17.438,-40.941 ccw(c0,0) 20.766,-39.358 ; 20.766,-39.358 ccw(c0,0) 26.161,-35.998 ; 23.589,37.733 cw(c0,0) 25.451,36.503 ; 26.161,-35.998 ccw(c0,0) 31.814,-31.115 ; 31.814,-31.115 ccw(c0,0) 34.068,-28.629 ; 35.651,26.632 cw(c0,0) 38.465,22.376 cw(c0,0) 39.517,20.462 cw(c0,0) 41.272,16.639 ; 41.272,16.639 cw(c0,0) 43.381,9.918 ; 41.523,-16.002 ccw(c0,0) 43.243,-10.504 ; 43.243,-10.504 ccw(c0,0) 44.014,-6.558 ; 44.014,-6.558 ccw(c0,0) 44.5,0 ccw(c0,0) 44.489,0.986
Netcap5_1: cap5.1 RES5.1 sens2.VCC | length 6.2
  Top Layer w1: RES5.1 11.638,33.988 12.641,34.991 12.641,37.44 sens2.VCC
  Bottom Layer w1: cap5.1 11.309,38.088 11.6,37.797 12.667,37.797 sens2.VCC
Netcap6_1: cap6.1 RES6.1 sens3.VCC | length 5.1
  Top Layer w1: RES6.1 25.007,27.416 25.725,28.133 25.725,29.226 sens3.VCC
  Bottom Layer w1: cap6.1 25.019,30.799 26.064,29.754 sens3.VCC
Netcap7_1: cap7.1 RES7.1 sens4.VCC | length 5.4
  Top Layer w1: RES7.1 33.538,15.454 33.538,15.712 35.347,17.52 sens4.VCC
  Bottom Layer w1: cap7.1 34.527,18.544 35.551,17.52 sens4.VCC
Netcap9_1: cap9.1 RES8.1 sens1.VCC | length 6.3
  Top Layer w1: sens1.VCC -2.54,38.877 -1.19,37.527 -1.19,36.826 RES8.1
  Bottom Layer w1: cap9.1 -4.195,38.984 -2.688,38.984 -2.54,39.132 sens1.VCC
Netcap16_1: cap16.1 RES13.1 sens7.VCC | length 10.6
  Top Layer w1: RES13.1 25.863,-23.3 27.019,-23.3 sens7.VCC 29.863,-26.057 27.825,-24.019
  Bottom Layer w1: sens7.VCC 29.574,-25.855 29.574,-25.646 30.545,-24.675 cap16.1
Netcap17_1: cap17.1 RES14.1 sens6.VCC | length 5.7
  Top Layer w1: RES14.1 34.365,-12.452 37.234,-12.452 sens6.VCC
  Bottom Layer w1: sens6.VCC 37.597,-12.717 37.597,-10.956 cap17.1
Netcap19_1: cap19.1 RES15.1 sens8.VCC | length 7.2
  Top Layer w1: RES15.1 15.413,-33.026 17.587,-35.2 sens8.VCC
  Bottom Layer w1: sens8.VCC 17.821,-35.604 18.893,-34.532 cap19.1
Netcap20_1: cap20.1 RES16.1 sens5.VCC | length 6.1
  Top Layer w1: RES16.1 36.549,1.575 37.453,2.479 39.563,2.479 sens5.VCC
  Bottom Layer w1: cap20.1 39.111,4.322 39.111,2.688 39.259,2.54 sens5.VCC
Netcap25_1: cap25.1 RES23.1 sens13.VCC | length 5.9
  Top Layer w1: sens13.VCC@-39.168,-2.688 -39.316,-2.54 sens13.VCC -39.563,-2.479 -37.834,-2.479 -36.93,-1.575 RES23.1
  Bottom Layer w1: sens13.VCC -39.513,-2.54 -39.365,-2.688 -39.365,-4.195 cap25.1
Netcap26_1: cap26.1 RES24.1 sens14.VCC | length 5.3
  Top Layer w1: sens14.VCC -37.277,12.893 -36.267,11.883 -36.267,10.791 RES24.1
  Bottom Layer w1: cap26.1@-37.737,11.444 cap26.1 -37.966,11.561 -37.714,11.813 -37.714,12.727 sens14.VCC
Netcap29_1: cap29.1 RES25.1 sens11.VCC | length 7.1
  Top Layer w1: sens11.VCC -25.929,-29.521 -25.72,-29.521 -24.495,-30.746 RES25.1 -24.212,-30.675 RES25.1@-24.212,-30.321
  Bottom Layer w1: sens11.VCC -25.743,-29.335 -23.849,-29.335 -23.278,-28.764 cap29.1 cap29.1@-22.987,-28.702
Netcap30_1: cap30.1 RES26.1 sens12.VCC | length 6.2
  Top Layer w1: sens12.VCC@-35.54,-17.268 sens12.VCC -35.709,-17.46 -34.564,-18.604 RES26.1
  Bottom Layer w1: sens12.VCC -35.54,-17.268 -34.973,-17.268 -33.961,-18.279 -32.289,-18.279 cap30.1
Netcap32_1: cap32.1 RES27.1 sens10.VCC | length 6
  Top Layer w1: sens10.VCC -12.623,-37.388 -12.623,-33.859 RES27.1@-12.633,-33.849
  Bottom Layer w1: sens10.VCC@-12.824,-37.595 sens10.VCC sens10.VCC@-12.741,-37.506 ; sens10.VCC@-12.623,-37.388 sens10.VCC@-12.741,-37.506 ; cap32.1 -11.167,-37.506 sens10.VCC@-12.741,-37.506
Netcap34_1: cap34.1 RES28.1 sens9.VCC | length 6
  Top Layer w1: RES28.1 1.956,-36.422 2.54,-37.006 sens9.VCC
  Bottom Layer w1: sens9.VCC 2.54,-39.259 2.688,-39.111 4.195,-39.111 cap34.1
Netcap37_1: cap37.1 RES31.1 sens15.VCC | length 6
  Top Layer w1: sens15.VCC -29.649,26.271 -28.71,25.332 -26.498,25.332 RES31.1
  Bottom Layer w1: cap37.1@-31.025,24.83 cap37.1 -30.672,25.083 -29.714,26.04 -29.714,26.249 sens15.VCC ; sens15.VCC@-29.873,26.198 sens15.VCC@-29.841,26.166
Netcap38_1: cap38.1 RES32.1 sens16.VCC | length 6.5
  Top Layer w1: RES32.1 -20.619,33.813 -19.88,33.813 -18.255,35.438 -17.626,35.438 sens16.VCC
  Bottom Layer w1: cap38.1@-19.041,34.172 cap38.1 -18.515,34.417 -17.46,35.472 sens16.VCC
NetRES1_1: RES1.1 sens2.OUT | length 4
  Top Layer w1: RES1.1 15.605,33.477 17.526,35.398 sens2.OUT 17.526,35.958 sens2.OUT@17.927,36.359
NetRES2_1: RES2.1 sens3.OUT | length 4.1
  Top Layer w1: RES2.1 27.237,24.175 27.591,24.175 27.661,24.245 27.928,24.245 sens3.OUT sens3.OUT@30.251,26.568
NetRES3_1: RES3.1 sens4.OUT | length 5.2
  Top Layer w1: RES3.1 34.015,11.77 34.819,12.574 37.339,12.574 sens4.OUT 37.783,13.018 sens4.OUT@38.35,13.018
NetRES4_1: RES4.1 sens1.OUT | length 5
  Top Layer w1: RES4.1 1.956,38.293 2.54,38.877 sens1.OUT sens1.OUT@2.54,40.198
NetRES9_1: RES9.1 sens7.OUT | length 5.6
  Top Layer w1: RES9.1 24.062,-25.736 24.062,-27.527 sens7.OUT sens7.OUT@26.677,-30.142
NetRES10_1: RES10.1 sens6.OUT | length 4.9
  Top Layer w1: RES10.1 31.661,-15.667 32.631,-16.637 34.337,-16.637 35.16,-17.46 sens6.OUT
NetRES11_1: RES11.1 sens8.OUT | length 5.3
  Top Layer w1: RES11.1 11.384,-33.251 11.938,-33.805 11.938,-36.148 12.893,-37.104 sens8.OUT
NetRES12_1: RES12.1 sens5.OUT | length 4.1
  Top Layer w1: RES12.1 36.041,-1.575 37.006,-2.54 sens5.OUT
NetRES17_1: RES17.1 sens13.OUT | length 2.9
  Top Layer w1: sens13.OUT -39.563,2.601 -37.564,2.601 -37.06,3.105 RES17.1
NetRES18_1: RES18.1 sens14.OUT | length 3.5
  Top Layer w1: sens14.OUT@-35.438,17.753 sens14.OUT -35.29,17.273 -33.087,17.273 RES18.1 RES18.1@-32.537,17.069
NetRES19_1: RES19.1 sens11.OUT | length 3.5
  Top Layer w1: sens11.OUT -27.895,-24.303 -27.895,-23.681 RES19.1
NetRES20_1: RES20.1 sens12.OUT | length 2.8
  Top Layer w1: RES20.1 -39.697,-11.469 -38.321,-12.845 -37.754,-12.845 sens12.OUT
NetRES21_1: RES21.1 sens10.OUT | length 3
  Top Layer w1: RES21.1@-19.978,-36.556 -19.771,-36.349 -17.95,-36.349 -17.52,-35.919 sens10.OUT
NetRES22_1: RES22.1 sens9.OUT | length 5.5
  Top Layer w1: sens9.OUT@-2.688,-40.346 -2.54,-40.198 sens9.OUT -2.508,-39.592 -2.508,-37.941 -1.317,-36.75 -1.317,-35.81 RES22.1
NetRES29_1: RES29.1 sens15.OUT | length 3.3
  Top Layer w1: sens15.OUT -26.144,29.776 -24.443,28.075 -24.443,27.387 RES29.1
NetRES30_1: RES30.1 sens16.OUT | length 3.1
  Top Layer w1: sens16.OUT -12.766,37.104 -11.888,36.226 -11.888,35.205 RES30.1
sen1: cap4.1 MULTI1.4 RES4.2 | length 69.7
  Top Layer w1: MULTI1.4 3.501,-13.898 12.319,-5.08 12.319,21.59 6.909,27 6.909,33.58 ; RES4.2 5.156,35.333 6.909,33.58 ; cap4.1 6.909,33.58
sen2: cap1.1 MULTI1.3 RES1.2 | length 66.1
  Top Layer w1: MULTI1.3 3.483,-15.694 13.589,-5.588 13.589,28.489 14.03,28.93 ; RES1.2 14.03,30.327 14.03,28.93 ; cap1.1 20.747,33.02 19.818,32.091 17.191,32.091 14.03,28.93
sen3: cap2.1 MULTI1.2 RES2.2 | length 62.6
  Top Layer w1: MULTI1.2 -1.201,-17.472 3.991,-17.472 14.859,-6.604 14.859,8.409 ; 14.859,8.509 29.483,23.133 32.133,23.133 cap2.1 ; RES2.2 24.974,21.912 24.974,18.766
sen4: cap3.1 MULTI1.5 RES3.2 | length 76.4
  Top Layer w1: MULTI1.5 -6.607,-16.602 -0.803,-22.406 1.089,-22.406 16.129,-7.366 16.129,6.609 17.394,7.874 32.004,7.874 ; RES3.2 34.645,8.559 32.689,8.559 32.004,7.874 ; cap3.1 38.439,8.763 37.55,7.874 32.004,7.874
sen5: cap18.1 MULTI1.6 RES12.2 | length 67.5
  Top Layer w1: MULTI1.6 -8.403,-16.743 -1.486,-23.66 19.393,-23.66 32.639,-10.414 32.639,-7.62 34.29,-5.969 34.747,-5.969 ; RES12.2 34.747,-5.969 ; cap18.1 38.778,-6.667 38.547,-6.436 38.432,-6.436 37.965,-5.969 34.747,-5.969
sen6: cap14.1 MULTI1.7 RES10.2 | length 59
  Top Layer w1: MULTI1.7 -10.199,-16.725 -2,-24.924 20.833,-24.924 27.172,-18.585 29.917,-18.585 30.278,-18.946 31.227,-18.946 33.42,-21.139 cap14.1
sen7: cap13.1 MULTI1.8 RES9.2 | length 56.6
  Top Layer w1: MULTI1.8 -11.995,-16.834 -2.651,-26.178 17.907,-26.178 ; RES9.2@21.653,-28.003 19.828,-26.178 17.907,-26.178 ; cap13.1 22.942,-32.197 22.942,-31.87 22.861,-31.789 22.861,-31.132 17.907,-26.178
sen8: cap15.1 MULTI1.9 RES11.2 | length 50.6
  Top Layer w1: MULTI1.9 -13.792,-17.196 -3.556,-27.432 6.145,-27.432 6.731,-28.018 6.731,-32.443 ; RES11.2 6.731,-32.443 ; cap15.1 8.453,-38.053 8.453,-36.012 6.731,-34.29 6.731,-32.443
sen9: cap33.1 MULTI1.23 RES22.2 | length 18.5
  Top Layer w1: MULTI1.23 -8.055,-28.267 -6.655,-29.667 -6.655,-33.072 ; cap33.1 -6.655,-33.072 ; RES22.2 -4.267,-35.46 -6.655,-33.072
sen10: cap31.1 MULTI1.22 RES21.2 | length 13.1
  Top Layer w1: cap31.1 -22.256,-32.892 -21.599,-33.548 -18.824,-33.548 -13.887,-28.612 -13.887,-26.566 MULTI1.22
sen11: cap27.1 MULTI1.21 RES19.2 | length 21.6
  Top Layer w1: cap27.1 -32.685,-22.433 -32.358,-22.433 -32.277,-22.352 -31.445,-22.352 -30.441,-21.348 RES19.2 -30.017,-21.277 -27.745,-21.277 -21.336,-27.686 -18.599,-27.686 MULTI1.21
sen12: cap28.1 MULTI1.20 RES20.2 | length 29.6
  Top Layer w1: cap28.1 -38.607,-8.192 -37.126,-9.673 -37.126,-10.099 RES20.2 -36.85,-10.398 -22.227,-25.021 -19.526,-25.021 MULTI1.20
sen13: cap23.1 MULTI1.16 RES17.2 | length 29.9
  Top Layer w1: cap23.1 -38.735,6.811 -38.504,6.58 -36.977,6.58 RES17.2 -34.798,4.4 -34.798,-2.032 -23.909,-12.921 -23.909,-14.9 -24.568,-15.559 MULTI1.16
sen14: cap24.1 MULTI1.17 RES18.2 | length 44.9
  Top Layer w1: cap24.1 -33.52,20.693 -32.657,20.693 -31.979,20.015 RES18.2 -26.924,15.306 -26.924,-8.133 -21.161,-13.896 -21.161,-15.879 MULTI1.17
sen15: cap35.1 MULTI1.18 RES29.2 | length 56.6
  Top Layer w1: cap35.1 -23.671,31.891 -23.671,31.141 RES29.2 -22.11,29.226 -21.844,28.96 -21.844,14.875 -25.67,11.049 -25.67,-7.613 -19.685,-13.598 -19.685,-17.86 -20.976,-19.151 MULTI1.18
sen16: cap36.1 MULTI1.19 RES30.2 | length 72.3
  Top Layer w1: MULTI1.19 -17.272,-19.175 -17.272,-14.238 -24.384,-7.126 -24.384,10.287 -20.574,14.097 -20.574,25.781 -14.732,31.623 -11.176,31.623 -8.509,34.29 -8.509,35.992 RES30.2 -8.677,36.484 -8.961,36.768 -8.961,38.434 cap36.1
pads on no net: "Socket IR1.8" Screw1.S Screw2.S Screw3.S Screw4.S

## Other copper
Top Layer:
  drawing of 20 lines, arcs and shapes, not listed
  text "Sarina - Dina" at 12.827,-13.716 h1
  text "Hasti - Hosna" at 10.922,-16.383 h1

## Silkscreen, mask and mechanical layers (free items; w line width, h text height)
Top Solder:
  drawing of 20 lines, arcs and shapes, not listed
  text "Sarina - Dina" at 12.846,-13.697 h1
  text "Hasti - Hosna" at 10.941,-16.364 h1
  text "Because robots are child of they creators." at 10.895,-17.453 h0.3
Mechanical 1:
  circle w0.013: c-30.952,0.048 r1.7
  circle w0.013: c31.048,0.048 r1.7
  circle w0.013: c0.048,-30.952 r1.7

## Text inside footprints (layer, text, board x,y; h text height)
"Socket IR1": Top Overlay "1" at 3.224,19.165 h1.5 r180; Top Overlay "10" at -10.852,16.625 h1.5 r180; Top Overlay "9" at -10.852,19.165 h1.5 r180; Top Overlay "2" at 3.724,16.625 h1.5 r180